# Altium PCB PCB3.PcbDoc (part 1 of 2) (continued)
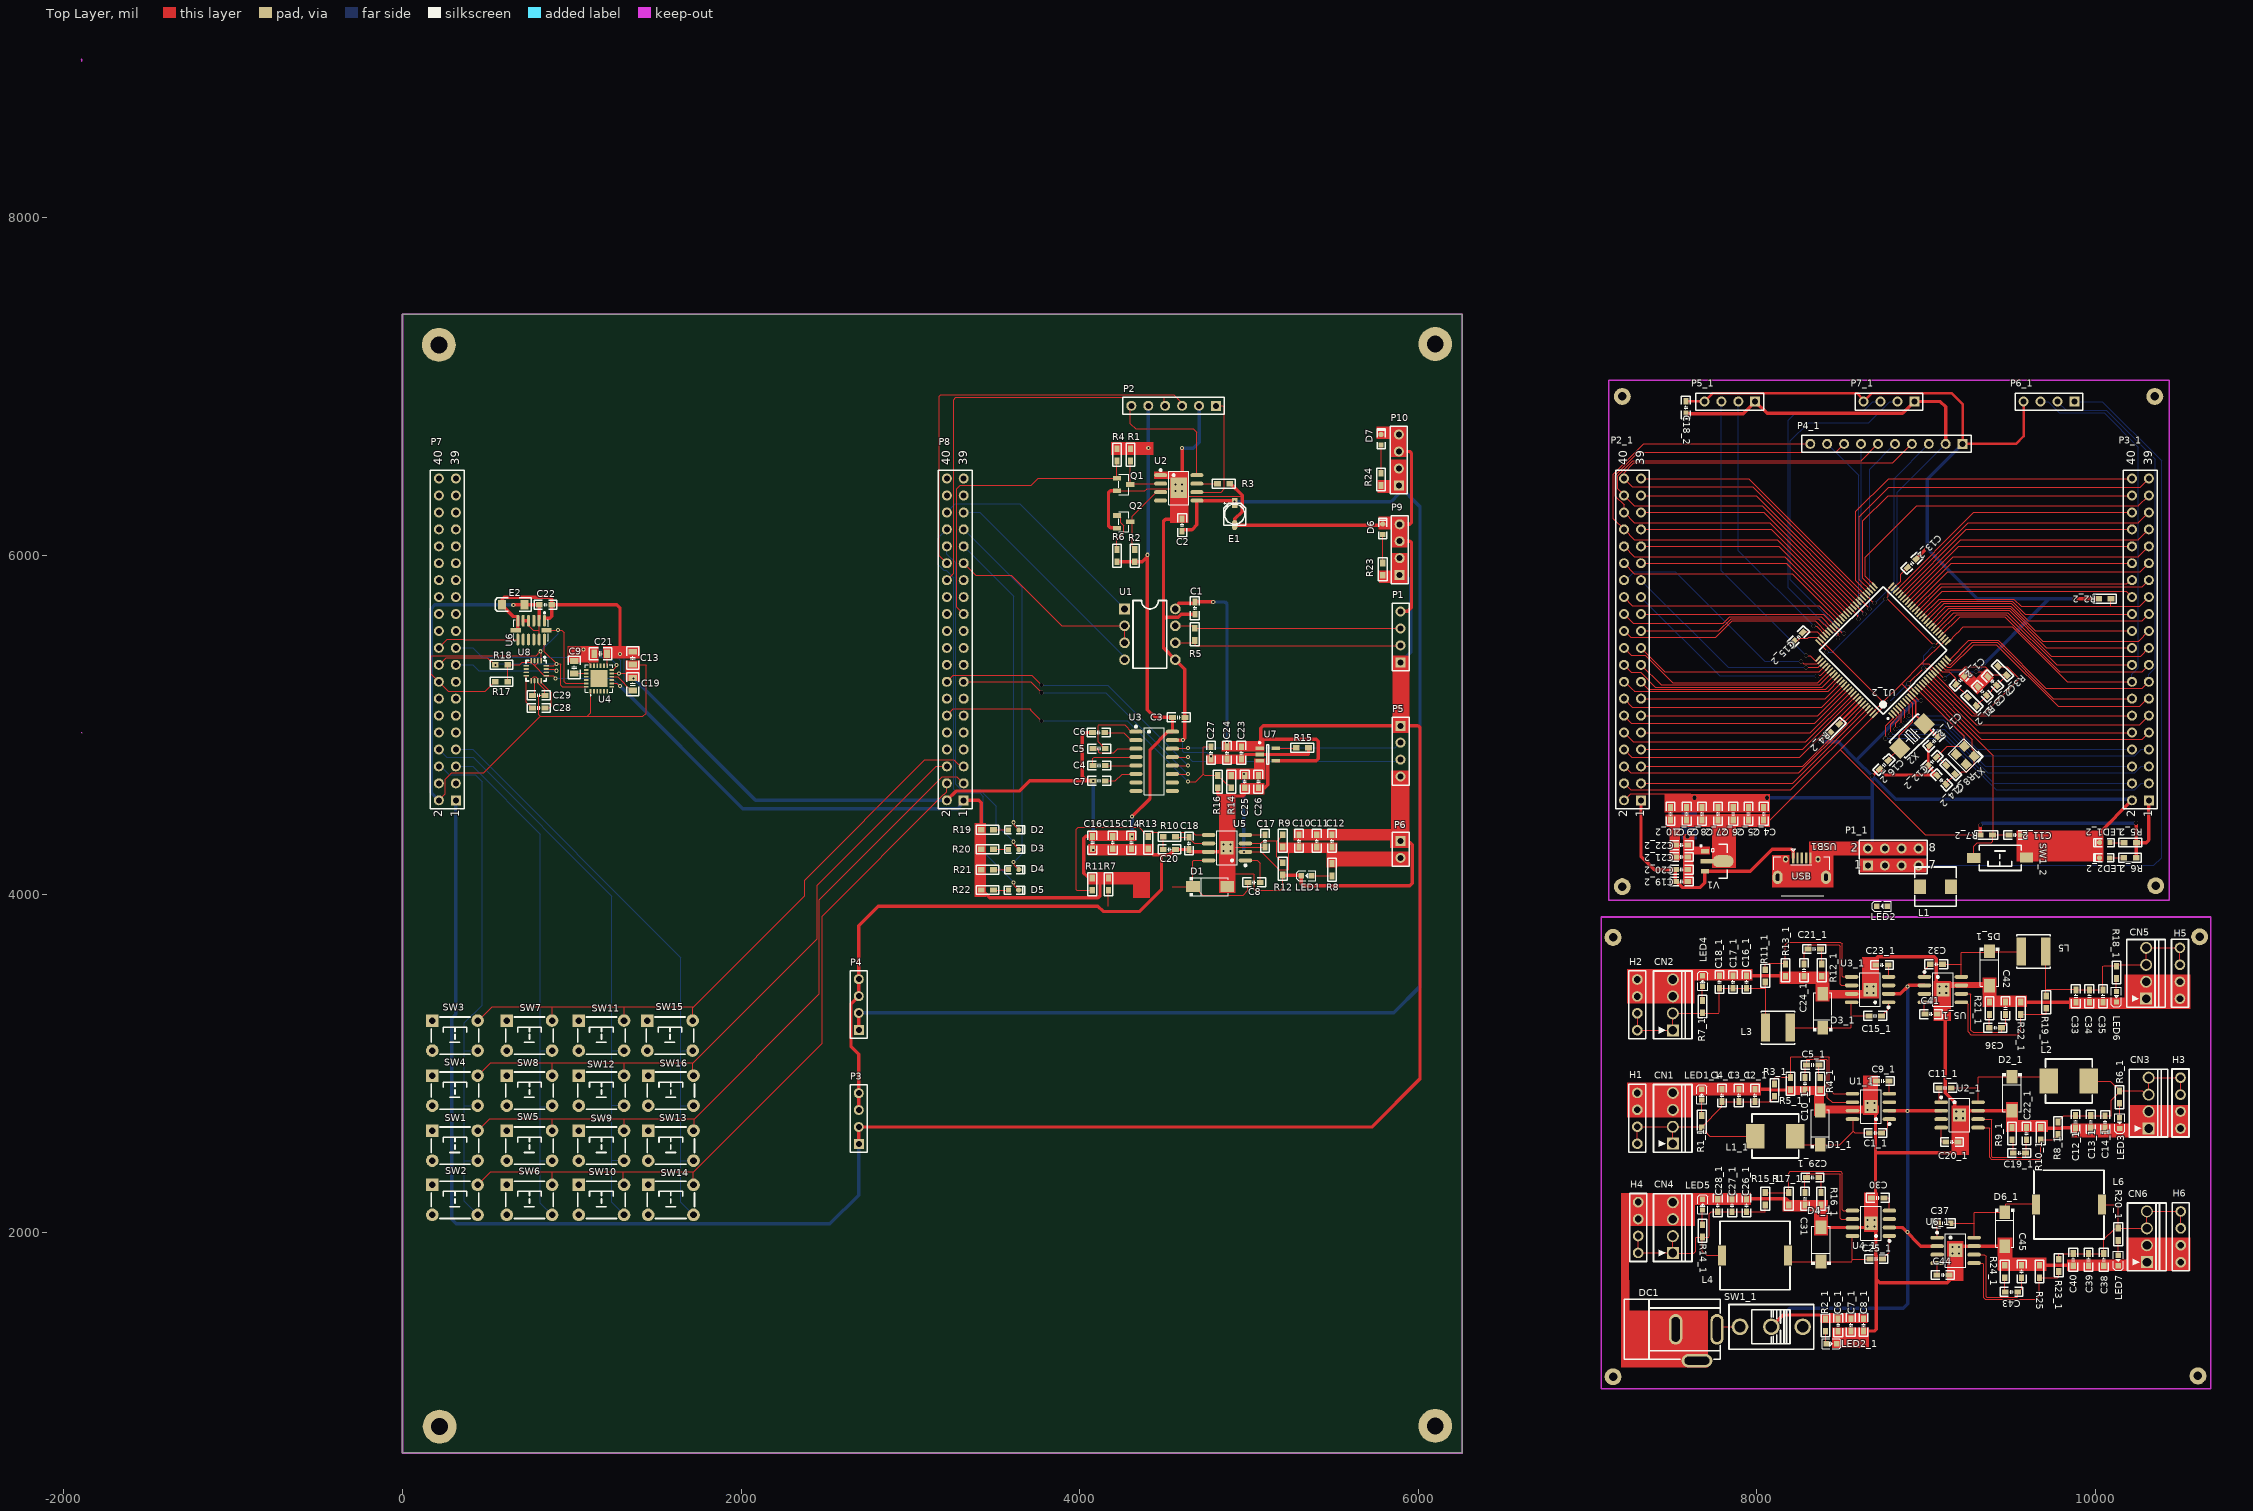
[diagram p0: Top Layer view]
## Components (designator, comment, footprint, x,y, rotation, side; value= is the part's Value field where it differs from the comment) (continued)
SW1_2 "3x6x5" "SW SMD-3*6*2.5" 9435,4215 r180 top (schematic designator SW1)
SW2 "6x6x5" "SW DIP-6*6*6" 310,2195 r0 top
SW3 "6x6x5" "SW DIP-6*6*6" 310,3165 r0 top
SW4 "6x6x5" "SW DIP-6*6*6" 310,2840 r0 top
SW5 "6x6x5" "SW DIP-6*6*6" 750,2515 r0 top
SW6 "6x6x5" "SW DIP-6*6*6" 750,2195 r0 top
SW7 "6x6x5" "SW DIP-6*6*6" 750,3165 r0 top
SW8 "6x6x5" "SW DIP-6*6*6" 750,2840 r0 top
SW9 "6x6x5" "SW DIP-6*6*6" 1175,2515 r0 top
SW10 "6x6x5" "SW DIP-6*6*6" 1175,2195 r0 top
SW11 "6x6x5" "SW DIP-6*6*6" 1175,3165 r0 top
SW12 "6x6x5" "SW DIP-6*6*6" 1175,2840 r0 top
SW13 "6x6x5" "SW DIP-6*6*6" 1585,2515 r0 top
SW14 "6x6x5" "SW DIP-6*6*6" 1585,2195 r0 top
SW15 "6x6x5" "SW DIP-6*6*6" 1580,3165 r0 top
SW16 "6x6x5" "SW DIP-6*6*6" 1585,2840 r0 top
U1 "MAX485EN" DIP-8_L10.0-W6.5-P2.54-LS7.6-BL 4415,5535 r270 top
U1_1 "TPS54531DDAR" SOIC-8_L5.0-W4.0-P1.27-LS6.0-BL-EP 8673.51,2746.5 r90 top (schematic designator U1)
U1_2 "STM32F407VET6" LQFP100_V 8745,5440 r135 top (schematic designator U1)
U2 "A4950ELJTR-T" SOIC-8_L4.9-W3.9-P1.27-LS6.0-BL-EP 4585,6400 r270 top
U2_1 "TPS54531DDAR" SOIC-8_L5.0-W4.0-P1.27-LS6.0-BL-EP 9196.89,2696.5 r270 top (schematic designator U2)
U3 "SP3232EEN-L" SOIC-16_L9.9-W3.9-P1.27-LS6.0-BL 4440,4785 r270 top
U3_1 "TPS54531DDAR" SOIC-8_L5.0-W4.0-P1.27-LS6.0-BL-EP 8668.51,3436.5 r90 top (schematic designator U3)
U4 "MPU-6050_C24112" QFN-24_L4.0-W4.0-P0.50-BL-EP2.6 1160,5275 r0 top
U4_1 "TPS54531DDAR" SOIC-8_L5.0-W4.0-P1.27-LS6.0-BL-EP 8673.51,2056.5 r90 top (schematic designator U4)
U5 "TPS54531DDAR" SOIC-8_L5.0-W4.0-P1.27-LS6.0-BL-EP 4870,4275 r90 top
U5_1 "TPS54531DDAR" SOIC-8_L5.0-W4.0-P1.27-LS6.0-BL-EP 9098.51,3436.5 r270 top (schematic designator U5)
U6 "ADXL345BCCZ-RL7" LGA-14_L5.0-W3.0-P0.80-BL 760,5560 r180 top
U6_1 "TPS54531DDAR" SOIC-8_L5.0-W4.0-P1.27-LS6.0-BL-EP 9173.51,1896.5 r270 top (schematic designator U6)
U7 "LTC4057ES5-4.2#TRM" LT-S5-5-TSOT-23_N 5110,4825 r0 top
U8 "QMC5883L-TR" SENSOR-SMD_QMC5883L-TR 790,5320 r270 top
USB1 "USB-5P" USB-MICRO_A 8265,4100 r0 top
V1 "AMS1117-3V3" SOT89_L 7703.89,4195 r270 top
X1 "8MHz" "OSC 3225-4P" 9230,4820 r135 top
X2 "32.768K" "OSC 6035-2P" 8915,4935 r225 top

## Footprints (in the part's own frame and the unit in brackets; to place one, negate y for a bottom-side part, rotate by r counter-clockwise, add the part's x,y. Pads: shape width x height; smd on the part's side, far side on the other; paste and mask are expansions set on the pad)
C0603_M [mil] "无极性贴片电容"
  rect 40x30 smd: 1(-36.5,0) 2(36.5,0)
  silkscreen extent -68,-26 68,26, body extent -31,-16 32,16, height 33
C0805_L [mil] "无极性贴片电容"
  rect 35x50 smd: 1(-37.4,0) 2(37.4,0)
  silkscreen extent -67,-36 67,36, body extent -39,-24 39,24, height 22
C_3216 [mm] "A型贴片钽电容 长3.2mm，宽1.6mm，厚1.6mm"
  rect 1.2x1.4 smd: 1(-1.7,0) 2(1.7,0)
  silkscreen extent -2.74,-1.02 2.67,1.02, body extent -1.6,-0.8 1.6,0.8, height 1.63
"CE A(3*5.4)" [mm] "贴片电解电容，直径3mm，高5.4mm"
  rect 1.5x0.8 smd: 1(1.651,0)
  oval 1.5x0.8 smd: 2(-1.65,0)
  silkscreen extent -1.65,-1.65 1.8,1.65, body extent -1.9,-1.65 1.9,1.65, height 5.45
CONN-TH_22272041 [mm]
  rect 1.8x1.8 hole 1.3: 1(3.81,0)
  round 1.8 hole 1.3: 2(1.27,0) 3(-1.27,0) 4(-3.81,0)
  silkscreen extent -5.08,-2.92 5.08,2.88
DC-IN-TH_DC005 [mm]
  oval 2x4.6 hole 1.2 slot 3.7 at 90 deg: 1(3.1,2.35) 2(-3.1,2.35)
  oval 4.6x2 hole 1.2 slot 3.7 at 0 deg: 3(0.1,-2.35)
  silkscreen extent -10.8,-2.15 3.6,6.85
DIP-8_L10.0-W6.5-P2.54-LS7.6-BL [mil]
  rect 63x63 hole 39.37: 1(-150,-150)
  round 63 hole 39.37: 2(-50,-150) 3(50,-150) 4(150,-150) 5(150,150) 6(50,150) 7(-50,150) 8(-150,150)
  silkscreen extent -200,-100 200,100
HDR1X2 [mm] "Connector; Header; 2 Position"
  rect 1.5x1.5 hole 0.9: 1(0,0)
  round 1.5 hole 0.9: 2(2.54,0)
  silkscreen extent -1.27,-1.27 3.81,1.27
HDR1X4 [mm] "Connector; Header; 4 Position"
  rect 1.5x1.5 hole 0.9: 1(0,0)
  round 1.5 hole 0.9: 2(2.54,0) 3(5.08,0) 4(7.62,0)
  silkscreen extent -1.27,-1.27 8.89,1.27
HDR1X6 [mm] "Connector; Header; 6 Position"
  rect 1.5x1.5 hole 0.9: 1(0,0)
  round 1.5 hole 0.9: 2(2.54,0) 3(5.08,0) 4(7.62,0) 5(10.16,0) 6(12.7,0)
  silkscreen extent -1.27,-1.27 13.97,1.27
HDR1X10 [mm] "Connector; Header; 10 Position"
  rect 1.5x1.5 hole 0.9: 1(0,0)
  round 1.5 hole 0.9: 2(2.54,0) 3(5.08,0) 4(7.62,0) 5(10.16,0) 6(12.7,0) 7(15.24,0) 8(17.78,0) 9(20.32,0) 10(22.86,0)
  silkscreen extent -1.27,-1.27 24.13,1.27
HDR2X4 [mm] "Connector; Header; 4x2 Position"
  rect 1.5x1.5 hole 0.9: 1(0,0)
  round 1.5 hole 0.9: 2(0,2.54) 3(2.54,0) 4(2.54,2.54) 5(5.08,0) 6(5.08,2.54) 7(7.62,0) 8(7.62,2.54)
  silkscreen extent -1.27,-1.27 8.89,3.81
HDR2X20 [mm] "Connector; Header; 20x2 Position"
  rect 1.5x1.5 hole 0.9: 1(0,0)
  round 1.5 hole 0.9: 2(0,2.54) 3(2.54,0) 4(2.54,2.54) 5(5.08,0) 6(5.08,2.54) 7(7.62,0) 8(7.62,2.54) 9(10.16,0) 10(10.16,2.54) 11(12.7,0) 12(12.7,2.54) 13(15.24,0) 14(15.24,2.54) 15(17.78,0) 16(17.78,2.54) 17(20.32,0) 18(20.32,2.54) 19(22.86,0) 20(22.86,2.54) 21(25.4,0) 22(25.4,2.54) 23(27.94,0) 24(27.94,2.54) 25(30.48,0) 26(30.48,2.54) 27(33.02,0) 28(33.02,2.54) 29(35.56,0) 30(35.56,2.54) 31(38.1,0) 32(38.1,2.54) 33(40.64,0) 34(40.64,2.54) 35(43.18,0) 36(43.18,2.54) 37(45.72,0) 38(45.72,2.54) 39(48.26,0) 40(48.26,2.54)
  silkscreen extent -1.27,-1.27 49.53,3.81
HDR-TH_4P-P2.54-V-F-R1-C4 [mm]
  round 1.6 hole 1.02: 1(-3.81,0) 2(-1.27,0) 3(1.27,0) 4(3.81,0)
  silkscreen extent -5.1,-1.27 5.1,1.27
IND-SMD_L5.0-W5.0_SWPA5040S [mm]
  rect 1.4x4.2 smd: 1(-1.85,0) 2(1.85,0)
  silkscreen extent -2.5,-2.5 2.5,2.5
IND-SMD_L6.2-W5.9 [mm]
  rect 1.8x2.2 smd: 1(-2.35,0) 2(2.35,0)
  silkscreen extent -3.1,-2.95 3.1,2.95
IND-SMD_L7.0-W6.6 [mm]
  rect 2.8x3.7 smd: 1(-3,0) 2(3,0)
  silkscreen extent -3.5,-3.3 3.5,3.3
IND-SMD_L10.5-W10.3 [mm]
  rect 1.2x3 smd: 1(-4.95,0) 2(4.95,0)
  silkscreen extent -5.25,-5.15 5.25,5.15
LED0603-RD [mm]
  rect 0.8x0.8 smd: 1(-0.799,-0.003) 2(0.799,0.004)
  silkscreen extent -1.49,-0.75 1.39,0.76
LED0603_R [mil] "红色0603LED"
  rect 30x30 smd: 1(-30.59,0)
  oct 30x30 smd: 2(30.59,0)
  silkscreen extent -54,-24 65,24, body extent -32,-16 31,16, height 24
LGA-14_L5.0-W3.0-P0.80-BL [mm]
  oval 0.448x1.769 smd: 1(-2,-1.409) 2(-1.2,-1.409) 3(-0.4,-1.409) 4(0.4,-1.409) 5(1.2,-1.409) 6(2,-1.409) 8(2,1.409) 9(1.2,1.409) 10(0.4,1.409) 11(-0.4,1.409) 12(-1.2,1.409) 13(-2,1.409)
  rect 1.545x0.7 smd: 7(2.298,0) 14(-2.298,0)
  silkscreen extent -2.58,-2.72 2.58,1.58
LQFP100_V [mm] "Thin QFP, 100-Leads, Body 14x14mm, Pitch 0.5mm, ST Recommended封装库来自淘宝 ID：黄晶宝石"
  rect 1.2x0.3 smd: 1(-7.75,6) 2(-7.75,5.5) 3(-7.75,5) 4(-7.75,4.5) 5(-7.75,4) 6(-7.75,3.5) 7(-7.75,3) 8(-7.75,2.5) 9(-7.75,2) 10(-7.75,1.5) 11(-7.75,1) 12(-7.75,0.5) 13(-7.75,0) 14(-7.75,-0.5) 15(-7.75,-1) 16(-7.75,-1.5) 17(-7.75,-2) 18(-7.75,-2.5) 19(-7.75,-3) 20(-7.75,-3.5) 21(-7.75,-4) 22(-7.75,-4.5) 23(-7.75,-5) 24(-7.75,-5.5) 25(-7.75,-6) 51(7.75,-6) 52(7.75,-5.5) 53(7.75,-5) 54(7.75,-4.5) 55(7.75,-4) 56(7.75,-3.5) 57(7.75,-3) 58(7.75,-2.5) 59(7.75,-2) 60(7.75,-1.5) 61(7.75,-1) 62(7.75,-0.5) 63(7.75,0) 64(7.75,0.5) 65(7.75,1) 66(7.75,1.5) 67(7.75,2) 68(7.75,2.5) 69(7.75,3) 70(7.75,3.5) 71(7.75,4) 72(7.75,4.5) 73(7.75,5) 74(7.75,5.5) 75(7.75,6)
  rect 0.3x1.2 smd: 26(-6,-7.75) 27(-5.5,-7.75) 28(-5,-7.75) 29(-4.5,-7.75) 30(-4,-7.75) 31(-3.5,-7.75) 32(-3,-7.75) 33(-2.5,-7.75) 34(-2,-7.75) 35(-1.5,-7.75) 36(-1,-7.75) 37(-0.5,-7.75) 38(0,-7.75) 39(0.5,-7.75) 40(1,-7.75) 41(1.5,-7.75) 42(2,-7.75) 43(2.5,-7.75) 44(3,-7.75) 45(3.5,-7.75) 46(4,-7.75) 47(4.5,-7.75) 48(5,-7.75) 49(5.5,-7.75) 50(6,-7.75) 76(6,7.75) 77(5.5,7.75) 78(5,7.75) 79(4.5,7.75) 80(4,7.75) 81(3.5,7.75) 82(3,7.75) 83(2.5,7.75) 84(2,7.75) 85(1.5,7.75) 86(1,7.75) 87(0.5,7.75) 88(0,7.75) 89(-0.5,7.75) 90(-1,7.75) 91(-1.5,7.75) 92(-2,7.75) 93(-2.5,7.75) 94(-3,7.75) 95(-3.5,7.75) 96(-4,7.75) 97(-4.5,7.75) 98(-5,7.75) 99(-5.5,7.75) 100(-6,7.75)
  silkscreen extent -7.87,-6.75 6.75,6.82, body extent -7,-7 7,7, height 1.6
LT-S5-5-TSOT-23_N [mm] "SOT23, 5-Leads, Body 2.90x1.63mm, Pitch 0.95mm, IPC Medium Density"
  rect 1.3x0.55 smd: 1(-1.2,0.95) 2(-1.2,0) 3(-1.2,-0.95) 4(1.2,-0.95) 5(1.2,0.95)
  silkscreen extent -1.32,-1.45 0.15,1.9, body extent -0.87,-1.45 0.87,1.45, height 1
"OSC 3225-4P" [mm] "3.2*2.5*0.7mm(长宽高)"
  rect 1.3x1.2 smd: 1(-1.05,-0.85) 2(1.05,-0.85) 3(1.05,0.85) 4(-1.05,0.85)
  silkscreen extent -2.03,-1.75 1.9,1.65, body extent -1.6,-1.25 1.6,1.25, height 0.7
"OSC 6035-2P" [mm] "6mm*3.5mm*1mm(长*宽*高)"
  rect 2.2x2.4 smd: 1(-2.6,0) 2(2.6,0)
  silkscreen extent -3,-1.75 3.02,1.75, body extent -3,-1.75 3,1.75, height 1.06
QFN-24_L4.0-W4.0-P0.50-BL-EP2.6 [mm]
  rect 0.28x0.665 smd: 1(-1.25,-1.907) 2(-0.75,-1.907) 3(-0.25,-1.907) 4(0.25,-1.907) 5(0.75,-1.907) 6(1.25,-1.907) 13(1.25,1.907) 14(0.75,1.907) 15(0.25,1.907) 16(-0.25,1.907) 17(-0.75,1.907) 18(-1.25,1.907)
  rect 0.665x0.28 smd: 7(1.907,-1.25) 8(1.907,-0.75) 9(1.907,-0.25) 10(1.907,0.25) 11(1.907,0.75) 12(1.907,1.25) 19(-1.907,1.25) 20(-1.907,0.75) 21(-1.907,0.25) 22(-1.907,-0.25) 23(-1.907,-0.75) 24(-1.907,-1.25)
  rect 2.55x2.55 smd: 25(0,0)
  silkscreen extent -2.08,-2.61 2.08,2.08
R0603_M [mil] "1/10W贴片电阻"
  rect 40x31.5 smd: 1(-36.5,0) 2(36.5,0)
  silkscreen extent -68,-26 68,26, body extent -31,-16 32,16, height 16
SENSOR-SMD_QMC5883L-TR [mm]
  oval 0.8x0.25 smd: 1(-1.5,0.75) 2(-1.5,0.25) 3(-1.5,-0.25) 4(-1.5,-0.75) 9(1.5,-0.75) 10(1.5,-0.25) 11(1.5,0.25) 12(1.5,0.75)
  oval 0.25x0.8 smd: 5(-0.75,-1.5) 6(-0.25,-1.5) 7(0.25,-1.5) 8(0.75,-1.5) 13(0.75,1.5) 14(0.25,1.5) 15(-0.25,1.5) 16(-0.75,1.5)
  silkscreen extent -2.16,-1.52 1.52,1.52
SMA_L4.4-W2.8-LS5.4-RD [mm]
  rect 2.046x1.62 smd: 1(-2.566,0) 2(2.565,0)
  silkscreen extent -3.08,-1.44 2.7,1.44
SOIC-8_L4.9-W3.9-P1.27-LS6.0-BL-EP [mm]
  oval 0.602x1.941 smd: 1(-1.905,-2.72) 2(-0.635,-2.72) 3(0.635,-2.72) 4(1.905,-2.72) 5(1.905,2.72) 6(0.635,2.72) 7(-0.635,2.72) 8(-1.905,2.72)
  rect 3.098x2.41 smd: 9(0,0)
  silkscreen extent -2.81,-2.87 2.53,1.52
SOIC-8_L5.0-W4.0-P1.27-LS6.0-BL-EP [mm]
  oval 0.574x2.038 smd: 1(-1.905,-2.769) 2(-0.635,-2.769) 3(0.635,-2.769) 4(1.905,-2.769) 5(1.905,2.769) 6(0.635,2.769) 7(-0.635,2.769) 8(-1.905,2.769)
  rect 2x2 smd: 9(0,0)
  silkscreen extent -2.79,-2.92 2.53,1.52
SOIC-16_L9.9-W3.9-P1.27-LS6.0-BL [mil]
  oval 23.7x77.6 smd: 1(-175,-107.7) 2(-125,-107.7) 3(-75,-107.7) 4(-25,-107.7) 5(25,-107.7) 6(75,-107.7) 7(125,-107.7) 8(175,-107.7) 9(175,107.7) 10(125,107.7) 11(75,107.7) 12(25,107.7) 13(-25,107.7) 14(-75,107.7) 15(-125,107.7) 16(-175,107.7)
  silkscreen extent -211,-114 198,60
SOT89_L [mm] "4.6x4.3x1.6mm(长宽高)"
  rect 0.66x1.2 smd: 1(-1.5,-0.303) 3(1.5,-0.303)
  oval 1.8x3.175 smd: 2(0,2.441)
  rect 0.66x2.1 smd: 2(0,0.127)
  silkscreen extent -2.54,-1 2.54,3.05, body extent -2.3,-0.83 2.3,3.48, height 1.6
SOT-23-3_L2.9-W1.3-P1.90-LS2.4-BR [mm]
  rect 1.25x0.7 smd: 1(1,-0.95) 2(1,0.95) 3(-1,0)
  silkscreen extent -0.73,-1.53 0.73,1.53
"SW DIP-6*6*6" [mm] "6*6*6mm"
  rect 1.9x1.9 hole 1: 1(-3.4,2.25)
  round 1.9 hole 1: 2(-3.4,-2.25) 3(3.4,-2.25) 4(3.4,2.25)
  silkscreen extent -3.56,-2.79 3.56,2.79, body extent -4.11,-3 4.11,3, height 6.03
"SW SMD-3*6*2.5" [mm] "3*6*2.5mm"
  rect 2x1.5 smd: 1(-3.996,-0.02) 2(3.937,0)
  silkscreen extent -3.21,-1.9 3.09,1.9, body extent -4,-1.75 4,1.75, height 2.59
SW-TH_SS-12D10L3 [mm]
  round 2.5 hole 1.7: 1(-4.7,0) 2(0,0) 3(4.7,0)
  silkscreen extent -6.35,-3.35 6.35,3.35
USB-MICRO_A [mm] "micro型USB ，5.7*7.8*2.5mm"
  rect 0.35x1.6 smd: 1(-1.3,2.9) 2(-0.65,2.9) 3(0,2.9) 4(0.65,2.9) 5(1.3,2.9)
  oval 1.5x2 hole 0.5 slot 1.1 at 90 deg: 5(-3.625,0) 5(3.625,0)
  oval 0.8x1 hole 0.5: 5(-2.425,2.71) 5(2.425,2.71)
  silkscreen extent -4.19,-2.79 4.19,4.3, body extent -4,-2.71 4,2.89, height 2.8

## Part data
C1 C1_1 C1_2 C2 C2_1 C2_2 C3 C3_1 C3_2 C4 C4_1 C4_2 C5 C5_1 C5_2 C6 C6_1 C6_2 C7 C7_1 C7_2 C8 C8_1 C8_2 C9 C9_1 C9_2 C10 C10_1 C10_2 C11 C11_1 C11_2 C12 C12_1 C12_2 C13 C13_1 C13_2 C14 C14_1 C14_2 C15 C15_1 C15_2 C16 C16_1 C16_2 C17 C17_1 C17_2 C18 C18_1 C18_2 C19 C19_1 C19_2 C20 C20_1 C20_2 C21 C21_1 C21_2 C22 C22_1 C22_2 C23 C23_1 C24 C24_1 C25 C25_1 C26 C26_1 C27 C27_1 C28 C28_1 C29 C29_1 C30 C31 C32 C33 C34 C35 C36 C37 C38 C39 C40 C41 C42 C43 C44 C45: library part C, "贴片电容", BOM名称=无极性贴片电容, 联系卖家，免费查找封装=唯一出售店铺网址https://shop463601444.taobao.com
CN1 CN2 CN3 CN4 CN5 CN6: BOM_JLCPCB Part Class="Extended Part", BOM_Manufacturer=MOLEX, BOM_Manufacturer Part=22272041, BOM_Supplier=LCSC, BOM_Supplier Part=C504991, Contributor=LCSC, JLCPCB Part Class="Extended Part", spicePre=C, spiceSymbolName=22272041
D1 D1_1 D2_1 D3_1 D4_1 D5_1 D6_1: BOM_JLCPCB Part Class="Extended Part", BOM_Manufacturer=Jingdao, BOM_Manufacturer Part=SS54, BOM_Supplier=LCSC, BOM_Supplier Part=C123946, Contributor=LCSC, JLCPCB Part Class="Extended Part", spicePre=D, spiceSymbolName=SS54_C123946
D2 D3 D4 D5 D6 D7 LED1_2 LED2_2: "发光二极管", 封装库来自淘宝卖家 ID：黄晶宝石=其他店铺购入均为假冒，请立即申请退款，本店奖励现金5~20元
DC1: BOM_Manufacturer="SHOU HAN", BOM_Manufacturer Part=DC005, JLCPCB Part Class="Extended Part", BOM_Supplier=LCSC, BOM_Supplier Part=C431533, Contributor=LCSC, spicePre=D, spiceSymbolName=DC005_C431533
E1: library part CE_SMD, "贴片电解电容", BOM名称=贴片电解电容, 封装库来自淘宝卖家ID：黄晶宝石=其他店铺购入均为盗版假冒封装库，请立即申请退款, 联系卖家，免费查找封装=唯一出售店铺网址https://shop463601444.taobao.com
E2: library part CT, "贴片钽电容", BOM名称=贴片钽电容, 封装库来自淘宝卖家ID：黄晶宝石=其他店铺购入均为盗版假冒封装库，请立即申请退款, 联系卖家，免费查找封装=唯一出售店铺网址https://shop463601444.taobao.com
H1 H2 H3 H4 H5 H6: BOM_Manufacturer=GEPU(歌普), JLCPCB Part Class="Extended Part", BOM_Manufacturer Part=GP26-2520WV-4P, BOM_Supplier=LCSC, BOM_Supplier Part=C2681739, Contributor=LCSC, spicePre=H, spiceSymbolName=GP26-2520WV-4P
L1: library part 3.3uH, BOM_Manufacturer=TDK, BOM_Manufacturer Part=CLF6045T-3R3N-D, BOM_Supplier=LCSC, BOM_Supplier Part=C432958, Contributor=LCSC, nameAlias=Inductance, spicePre=L, spiceSymbolName=CLF6045T-3R3N-D
L1_1 L2 L3 L4 L5 L6: library part L-AL, "色环电感", BOM名称=色环电感, 封装库来自淘宝卖家ID：黄晶宝石=其他店铺购入均为盗版假冒封装库，请立即申请退款, 联系卖家，免费查找封装=唯一出售店铺网址https://shop463601444.taobao.com
LED1 LED1_1 LED2 LED2_1 LED3 LED4 LED5 LED6 LED7: BOM_Manufacturer=NATIONSTAR, BOM_Manufacturer Part=FC-1608UGK-520D, BOM_Supplier=LCSC, BOM_Supplier Part=C87326, spicePre=L, spiceSymbolName=FC-1608UGK-520D
P1 P3 P4 P5 P9 P10: "Header, 4-Pin", LatestRevisionDate=17-Jul-2002, LatestRevisionNote="Re-released for DXP Platform.", Publisher="Altium Limited"
P1_1: library part "Header 4X2", "Header, 4-Pin, Dual row", LatestRevisionDate=17-Jul-2002, LatestRevisionNote="Re-released for DXP Platform.", Publisher="Altium Limited"
P2: "Header, 6-Pin", LatestRevisionDate=17-Jul-2002, LatestRevisionNote="Re-released for DXP Platform.", Publisher="Altium Limited"
P2_1 P3_1: library part "Header 20X2", "Header, 20-Pin, Dual row", LatestRevisionDate=17-Jul-2002, LatestRevisionNote="Re-released for DXP Platform.", Publisher="Altium Limited"
P4_1: library part "Header 10", "Header, 10-Pin", LatestRevisionDate=17-Jul-2002, LatestRevisionNote="Re-released for DXP Platform.", Publisher="Altium Limited"
P5_1 P6_1 P7_1: library part "Header 4", "Header, 4-Pin", LatestRevisionDate=17-Jul-2002, LatestRevisionNote="Re-released for DXP Platform.", Publisher="Altium Limited"
P6: "Header, 2-Pin", LatestRevisionDate=17-Jul-2002, LatestRevisionNote="Re-released for DXP Platform.", Publisher="Altium Limited"
P7 P8: "Header, 20-Pin, Dual row", LatestRevisionDate=17-Jul-2002, LatestRevisionNote="Re-released for DXP Platform.", Publisher="Altium Limited"
Q1 Q2: BOM_JLCPCB Part Class="Basic Part", BOM_Manufacturer=CJ, BOM_Manufacturer Part=2N7002, BOM_Supplier=LCSC, BOM_Supplier Part=C8545, spicePre=Q, spiceSymbolName=2N7002
R1 R1_1 R1_2 R2 R2_1 R2_2 R3 R3_1 R3_2 R4 R4_1 R4_2 R5 R5_1 R5_2 R6 R6_1 R6_2 R7 R7_1 R7_2 R8 R8_1 R8_2 R9 R9_1 R10 R10_1 R11 R11_1 R12 R12_1 R13 R13_1 R14 R14_1 R15 R15_1 R16 R16_1 R17 R17_1 R18 R18_1 R19 R19_1 R20 R20_1 R21 R21_1 R22 R22_1 R23 R23_1 R24 R24_1 R25: library part R, "贴片电阻", BOM名称=贴片电阻, 封装库来自淘宝卖家ID：黄晶宝石=其他店铺购入均为盗版假冒封装库，请立即申请退款, 联系卖家，免费查找封装=唯一出售店铺网址https://shop463601444.taobao.com
SW1 SW2 SW3 SW4 SW5 SW6 SW7 SW8 SW9 SW10 SW11 SW12 SW13 SW14 SW15 SW16: library part "TSW DIP-6x6", "直插6x6轻触开关", BOM名称=直插6x6轻触开关, 联系卖家，免费查找封装=唯一出售店铺网址https://shop463601444.taobao.com
SW1_1: BOM_Manufacturer="XKB Connectivity", JLCPCB Part Class="Extended Part", BOM_Manufacturer Part=SS-12D10L4, BOM_Supplier=LCSC, BOM_Supplier Part=C843364, Contributor=LCSC, spicePre=S, spiceSymbolName=SS-12D10L4
SW1_2: library part SW-PB, "微动开关", BOM名称=3x6轻触开关, 联系卖家，免费查找封装=唯一出售店铺网址https://shop463601444.taobao.com
U1: BOM_Manufacturer="HTC Korea TAEJIN Tech", BOM_Manufacturer Part=MAX485EN, BOM_Supplier=LCSC, BOM_Supplier Part=C481665, Contributor=LCSC, spicePre=U, spiceSymbolName=MAX485EN
U1_1 U2_1 U3_1 U4_1 U5 U5_1 U6_1: BOM_JLCPCB Part Class="Extended Part", BOM_Manufacturer=TI, BOM_Manufacturer Part=TPS54531DDAR, BOM_Supplier=LCSC, BOM_Supplier Part=C50605, JLCPCB Part Class="Extended Part", spicePre=U, spiceSymbolName=TPS54531DDAR
U1_2: "ARM Cortex-M4 32b MCU+FPU, 210DMIP, 512 kB Flash, 192+4 kB RAM, Camera, 82 I/Os, 100-pin LQFP, -40 to +85癈, Tray", Operating Frequency (Processor Speed)=168MHz, 16-bit Timers (IC/OC/PWM)=12x16-bit(24/24/30), 32-bit Timer (IC/OC/PWM)="2x32-bit (8/8/8)", A/D Converter=16x12-bit, ComponentLink1Description="Manufacturer URL", ComponentLink1URL=http://www.st.com/, ComponentLink2Description="STM32F405/7 Datasheet", ComponentLink2URL=http://www.st.com/internet/com/TECHNICAL_RESOURCES/TECHNICAL_LITERATURE/DATASHEET/DM00037051.pdf, ComponentLink3Description="STM32F4 Web Page", ComponentLink3URL=http://www.st.com/internet/mcu/subclass/1521.jsp, D/A Converter=2x12-bit, DatasheetVersion="rev2, Jan-2012", Internal RAM=192kB, Other Timer Functions="2xWDG, RTC, 24-bit down counter", PackageDescription="100-Pin Low Profile Quad Flat Package, 14x14 mm Body, 0.5 mm Pitch", PackageReference=LQFP100, PackageVersion=2012, Serial Interface="3xSPI/2xI2S/2xI2C/3xUSART(IrDa, ISO7816)/3xUART/2xUSB OTG FS/HS, 2xCAN/Ethernet MAC10/100, SDIO", 联系卖家，免费查找封装=唯一出售店铺网址https://shop463601444.taobao.com
U2: BOM_JLCPCB Part Class="Extended Part", BOM_Manufacturer=ALLEGRO, BOM_Manufacturer Part=A4950ELJTR-T, BOM_Supplier=LCSC, BOM_Supplier Part=C82404, spicePre=U, spiceSymbolName=A4950ELJTR-T
U3: BOM_Manufacturer=MaxLinear, BOM_Manufacturer Part=SP3232EEN-L, BOM_Supplier=LCSC, BOM_Supplier Part=C442458, Contributor=LCSC, spicePre=U, spiceSymbolName=SP3232EEN-L
U4: BOM_JLCPCB Part Class="Basic Part", BOM_Manufacturer=InvenSense, BOM_Manufacturer Part=MPU-6050, BOM_Supplier=LCSC, BOM_Supplier Part=C24112, sourceId=1T5FDZYC8, spicePre=U, spiceSymbolName=MPU-6050_C24112, timeStamp=1462265206
U6: BOM_JLCPCB Part Class="Extended Part", BOM_Manufacturer=ADI, BOM_Manufacturer Part=ADXL345BCCZ-RL7, BOM_Supplier=LCSC, BOM_Supplier Part=C9667, spicePre=U, spiceSymbolName=ADXL345BCCZ-RL7
U7: "Linear Li-Ion Battery Charger with Thermal Regulation, 4.25 to 6.5 V Vin, 5-pin SOT23 (S5-5), -40 to 85 degC, Mini Tape and Reel", Float Voltage="4.2 V", Manufacturer="Linear Technology", Max Charge Current(A)=0.8, Supplier Part Number 1=LTC4057ES5-4.2#TRM-ND, Battery Chemistry="Li-Ion, Li-Polymer", Charge Termination=Microcontroller, Code_JEDEC=MO-193, ComponentLink1Description="Manufacturer URL", ComponentLink1URL=http://www.linear.com/, ComponentLink2Description=Datasheet, ComponentLink2URL=http://cds.linear.com/docs/en/datasheet/4057f.pdf, ComponentLink3Description="Package Specification", ComponentLink3URL=http://cds.linear.com/docs/en/packaging/SOT_5_05-08-1635.pdf, Mounting Technology="Surface Mount", Number of Cells=1, PackageDescription="5-Pin Plastic TSOT-23, Body 1.63 x 2.90 mm, Pitch 0.95 mm", PackageReference=S5-5, PackageVersion=Jun-10, Packing="Mini Tape and Reel", PartNumber=LTC4057ES5-4.2#TRM, RoHS=FALSE, Supplier 1=Digi-Key, Type of Charger=Linear, Vin Max(V)=6.5, Vin Min(V)=4.25
U8: BOM_JLCPCB Part Class="Extended Part", BOM_Manufacturer=QST, BOM_Manufacturer Part=QMC5883L-TR, BOM_Supplier=LCSC, BOM_Supplier Part=C192585, Contributor=LCSC, spicePre=U, spiceSymbolName=QMC5883L-TR
USB1: "微型USB母座", BOM名称=微型USB母座, 联系卖家，免费技术支持=唯一出售店铺网址https://shop463601444.taobao.com
V1: library part AMS1117_SOT89, "三端稳压芯片", BOM名称=稳压芯片, 封装库来自淘宝卖家 ID：黄晶宝石=其他店铺购入均为盗版，请立即申请退款，本店现金奖励5~20元, 联系卖家 免费查找封装=唯一出售店铺网址https://shop463601444.taobao.com
X1 X2: library part XTAL-2P, "2脚无源脚晶振", BOM名称=2脚无源脚晶振, 学习资源=www.ooocke.com, 版权归属=源创客

## Free pads (board coordinates)
  round 200 hole 100: 2(6100,7250) 4(215,7245) 6(6100,860) 7(219.72,855.52)
  round 100 hole 50: 8(7150,1150) 9(7150,3745) 10(10614.64,3748.27) 11(10605,1155) 12(7205,6940) 13(7205,4045) 14(10350,6940) 15(10355,4050)

## Via types
v1: diameter 24, hole 12, Top Layer to Bottom Layer, 71 vias
v2: diameter 24, hole 24, Top Layer to Bottom Layer, 38 vias

## Nets (pads, with @x,y where several pads share a name; then routed paths per layer and width w, separated by ;. In a path a pad name is that pad's centre, name@x,y a point inside that pad or via, vN(x,y) a via of type N, cw(c..) or ccw(c..) an arc to the next point about the centre after c; other vN are vias at no path point)
3V3: C3.1 C13.2 C14.2 C15.2 C16.2 C21.2 C22.1 E2.1 L1.2 P2.5 P8.1 R1.2 R2.2 R4.2 R6.2 R7.2 R11.2 R17.2 R18.2 R19.2 R20.2 R21.2 R22.2 U3.16 U4.8 U4.13 U6.1 U6.6 U6.7 U8.2 U8.4 U8.13 | length 9385.7
  Top Layer w6: R17.2@621.5,5255 R18.2@621.5,5355 692.35,5355 708.58,5371.23 758.7,5371.23 U8.4@760.47,5373 ; U8.4@760.47,5379.06 U8.4@760.47,5373 ; U8.2@799.84,5379.06 799.84,5367.67 786.49,5354.31 780.44,5354.31 ; v1(905,5275) 889.53,5290.48 U8.13@849.05,5290.48 838.23,5290.48 780.44,5348.26 780.44,5354.31 ; C21.2@1207.4,5420 1209.21,5418.18 U4.13@1209.21,5350.1 ; U4.8@1235.1,5245.47 1264.66,5245.47 1280.13,5230 v1(1285,5230) ; U8.4@760.47,5373 760.47,5368.23 774.4,5354.31 780.44,5354.31
  Top Layer w20: U6.7@669.55,5560 677.48,5560 681.26,5563.78 U6.6@681.26,5615.49 681.26,5639.13 680.08,5640.32 653.82,5640.32 588.07,5706.06 E2.1@588.07,5710 590,5711.93 590,5743.28 601.72,5755 869.78,5755 881.5,5743.28 C22.1@881.5,5710 ; U6.1@838.74,5615.49 838.74,5628.6 839.92,5629.78 869.78,5629.78 881.5,5641.5 C22.1@881.5,5710 ; v1(1285,5420) 1285,5690 1265,5710 C22.1@881.5,5710 ; P8.1@3315,4555 3405,4555 3418.5,4541.5 R19.2@3418.5,4380 ; R22.2@3418.5,4025 3422.75,4025 3467.75,3980 4108.28,3980 4120,3991.72 4120,4090 4125,4095 ; R11.2@4075,4096.5 4075,4100.75 4069.25,4106.5 4043.5,4106.5 4025,4125 4025,4329.78 4036.72,4341.5 C16.2@4075,4341.5 ; R6.2@4220,5963.5 4368.5,5963.5 4399.23,5994.23 4399.23,6004.23 v1(4400,6005) 4400,5090 4445,5045 4547.7,5045 4548.1,5044.6 4548.1,4960.4 U3.16@4547.7,4960 4520.75,4960 4415.4,4854.65 4415.4,4565.4 v1(4310,4460) ; C14.2@4305,4341.5 4308.5,4341.5 v1(4310,4340)
  Bottom Layer w6: v1(905,5275) 1240,5275 v1(1285,5230) 1310,5255 1310,5395 v1(1285,5420)
  Bottom Layer w20: v1(1285,5230) 2010,4505 3278.76,4505 3295.47,4521.72 3295.47,4535.47 P8.1@3315,4555 ; v1(4310,4340) v1(4310,4460) ; v1(4400,6005) 4400,6006.08 4405,6011.08 v1(4405,6635) P2.5@4405,6885
4V2: C10.2 C11.2 C12.2 C25.2 C26.2 P6.2 R8.2 R9.2 R14.2 U5.2 U7.3 | length 925.9
  Top Layer w6: v1(4970,4250) 5072.75,4250 5177.75,4145 5231.49,4145 5235,4148.51 5235,4239.25 5200,4274.25 R9.2@5200,4278.5
  Top Layer w20: v1(4970,4710) 4970,4705 4971.5,4705 C25.2@4975,4701.5
  Bottom Layer w20: v1(4970,4250) v1(4970,4710)
5V: C1.1 C23.2 C24.2 P1.1 P3.1 P3.2 P5.1 P7.1 P9.1 P9.2 R23.2 U1.8 U7.1 U7.4 | length 14397.3
  Top Layer w20: P3.1@2695,2525 P3.2@2695,2625 5725.09,2625 6010,2909.91 6010,4983.28 5998.28,4995 P5.1@5895,4995 5085,4995 5070,4980 5070,4919.47 5074.47,4915 ; U1.8@4565,5685 4565,5696.64 4585,5716.64 4585,5718.28 4675,5718.28 4680,5723.28 C1.1@4680,5726.5 4788.5,5726.5 v1(4788.87,5726.13) ; U7.1@5062.76,4862.4 5062.76,4903.28 5074.47,4915 ; U7.4@5157.24,4787.6 5398.28,4787.6 5410,4799.31 5410,4903.28 5398.28,4915 5074.47,4915
  Bottom Layer w20: P7.1@315,4555 315,3290 290,3265 290,2081.72 318.7,2053.02 2525,2053.02 2695,2223.02 P3.1@2695,2525 ; v1(4788.87,5726.13) 4858.28,5726.13 4870,5714.42 v1(4870,4895) ; P9.1@5890,5885 5909.53,5865.47 5939.53,5865.47 5955,5850 5955,5430 P1.1@5895,5370
12V: C2.2 E1.1 P4.1 P4.2 P10.1 P10.2 R24.2 U2.5 | length 8013.4
  Top Layer w20: P4.1@2695,3198 P4.2@2695,3298 ; C2.2@4605,6143.5 4605,6148.5 4610,6153.5 4663.5,6153.5 4692.11,6182.11 U2.5@4692.11,6325 4909.25,6325 v1(4915,6319.25) E1.1@4915,6310
  Bottom Layer w20: P4.2@2695,3300 5855,3300 6010,3455 6010,6290 P10.1@5885,6415 5885,6365 5839.25,6319.25 v1(4915,6319.25)
A: P1.2 R5.1 U1.6 | length 1360
  Top Layer w6: U1.6@4565,5485 4667.25,5485 R5.1@4678.25,5496 ; R5.1@4680,5497.75 R5.1@4680,5498.5 4681.99,5496.51 4681.99,5473.01 4686.11,5468.9 5893.9,5468.9 P1.2@5895,5470
B: P1.3 R5.2 U1.7 | length 1336.7
  Top Layer w6: U1.7@4565,5585 4667.25,5585 4680,5572.25 R5.2@4680,5571.5 4681.5,5570 P1.3@5895,5570
GND: C1.2 C2.1 C3.2 C6.2 C7.1 C9.2 C10.1 C11.1 C12.1 C13.1 C14.1 C15.1 C16.1 C17.1 C18.2 C19.1 C20.1 C21.1 C22.2 C23.1 C24.1 C25.1 C26.1 C27.1 C29.1 D1.2 D6.2 D7.2 E1.2 E2.2 LED1.1 LED2.1 P1.4 P2.2 P3.3 P3.4 P4.3 P4.4 P5.4 P6.1 P7.2 P8.2 P9.3 P9.4 P10.3 P10.4 Q1.2 Q2.2 R3.2 R12.1 R13.1 R15.1 R16.1 U1.5 U2.1 U2.9 U3.15 U4.1 U4.11 U4.18 U5.7 U5.9 U6.2 U6.4 U6.5 U6.12 U7.2 U8.9 U8.11 | length 21172.7
  Top Layer w6: P7.2@215,4555 253.53,4593.53 253.53,4678.53 291.47,4716.47 481.47,4716.47 815,5050 ; U6.4@744.25,5615.49 744.25,5589.49 773.74,5560 807.24,5560 ; U8.9@760.47,5260.94 760.47,5271.77 774.4,5285.69 785.93,5285.69 799.84,5271.78 U8.11@799.84,5260.94 799.84,5250.12 841.5,5208.46 C29.1@841.5,5175 808.51,5175 805,5171.49 805,5060 815,5050 ; U6.12@807.24,5504.51 807.24,5560 ; U6.2@807.24,5627.31 U6.2@807.24,5615.49 807.24,5560 ; C9.2@1015,5377.4 1091.07,5377.4 1110.79,5357.68 U4.18@1110.79,5350.1 ; U4.1@1110.79,5199.9 1110.79,5070.79 1090,5050 ; U4.11@1235.1,5304.53 1325.37,5304.53 C19.1@1352.5,5277.4 ; C13.1@1360,5355 1435.8,5355 1439.31,5351.49 1439.31,5069.31 1420,5050 1090,5050 ; Q1.2@4220.63,6382.6 4384.77,6382.6 4398.02,6395.85 4549.77,6395.85 v1(4565.31,6380.31) ; U2.9@4585,6400 4585,6398.59 4603.98,6379.61 4603.98,6375.46 4629.44,6350 4954.25,6350 4960,6355.75 ; 4870,4120 5026.49,4120 5030,4116.49 5030,4030 5035,4025 5185,4025 5200,4040 R12.1@5200,4113.5 ; v1(4889.69,4294.69) 4905.88,4278.5 C17.1@5095,4278.5 ; 815,5050 1090,5050
  Top Layer w20: v1@655,5710 E2.2@721.93,5710 C22.2@808.5,5710 808.5,5640.39 807.24,5639.13 U6.2@807.24,5627.31 ; U6.5@712.76,5615.49 U6.4@744.25,5615.49 ; C19.1@1352.5,5277.4 C19.1@1360,5277.4 ; P3.3@2695,2725 P3.4@2695,2825 2695,3054.45 2649.47,3099.98 2649.47,3354.47 2695,3400 2695,3815 2809.72,3929.72 4107.05,3929.72 4138.52,3898.25 4355.88,3898.25 4482.87,4025.25 4482.87,4234 ; P8.2@3215,4555 3269.47,4609.47 3644.01,4609.47 3704.53,4670 4040.86,4670 ; C16.1@4075,4268.5 4080,4263.5 v1(4080,4260) ; C6.2@4075,4955 4035,4955 4015,4935 4015,4695.86 4040.86,4670 ; C7.1@4078.5,4670 4040.86,4670 ; Q2.2@4220.63,6162.6 4218.74,6164.49 4181.72,6164.49 4170,6176.21 4170,6370.88 4181.72,6382.6 Q1.2@4220.63,6382.6 ; R13.1@4405,4268.5 4405,4264.25 4435.25,4234 4482.87,4234 ; 4545,6215 4506.72,6215 4495,6203.28 4495,5623.28 ; U3.15@4547.7,4910 v1(4609.78,4910) 4621.5,4921.72 C3.2@4621.5,5045 4621.5,5328.5 U1.5@4565,5385 4495,5455 4495,5623.28 ; v1(4604.68,6419.68) 4605,6420 v1(4605,6635) ; C1.2@4680,5653.5 4600.68,5653.5 4582.18,5635 4506.72,5635 4495,5623.28 ; R16.1@4815,4628.5 4815,4591.72 4826.72,4580 4963.28,4580 4975,4591.72 C25.1@4975,4628.5 ; v1(4850.32,4255.32) 4845,4250 U5.7@4760.98,4250 4650,4250 4650,4258.5 C18.2@4645,4263.5 4644.25,4264.25 4567.25,4264.25 C20.1@4566.5,4265 4561.5,4265 4530.5,4234 4482.87,4234 ; R3.2@4886.5,6425 4890.75,6425 4960,6355.75 4960,6260 4916.76,6216.76 4916.76,6181.8 E1.2@4915,6180.04 5782.81,6180.04 5788.36,6185.59 D6.2@5790,6185.59 ; C23.1@4955,4798.5 4955,4803.5 4976.5,4825 U7.2@5062.76,4825 5110,4825 ; C26.1@5055,4628.5 5093.28,4628.5 5111,4646.22 5111,4824 5110,4825 ; R12.1@5200,4113.5 5201.82,4111.68 5306.71,4111.68 LED1.1@5308.52,4109.86 5308.52,4061.72 5320.24,4050 5950,4050 5965,4065 5965,4293.28 5953.28,4305 5905,4305 P6.1@5895,4315 ; R15.1@5351.5,4865 5351.5,4825 5110,4825 ; P10.3@5885,6615 5948.28,6615 5960,6603.28 5960,6196.72 5948.28,6185 P9.4@5890,6185 ; P9.3@5890,6085 5951,6085 5960,6076 5960,5695 5937.09,5672.09 5897.09,5672.09 P1.4@5895,5670
  Bottom Layer w6: v1(1070,5445) 1225,5445 1290,5380 1290,5319.87 1280,5309.87 v1(1280,5305) ; v1(4609.78,4910) 4609.78,4845.22 4615,4840 4750,4840 v1(4775,4815)
  Bottom Layer w20: P7.2@215,4555 169.47,4600.53 169.47,5687.23 191.72,5709.47 v1(654.47,5709.47) v1@655,5710 ; v1(1365,5275) 2085,4555 P8.2@3215,4555 ; v1(4080,4260) v1(4080,4670) ; v1(4605,6635) 4670,6635 4705,6670 P2.2@4705,6885
  other v1: 4889.69,4255.32 4850.32,4294.69 4604.68,6380.31 4565.31,6419.68
NetC4_1: C4.1 U3.5 | length 180.8
  Top Layer w6: C4.1@4151.5,4760 U3.5@4332.3,4760
NetC4_2: C4.2 U3.4 | length 305
  Top Layer w6: C4.2@4083.5,4760 C4.2@4078.5,4760 4078.5,4803.5 4085,4810 U3.4@4332.3,4810
NetC5_1: C5.1 U3.3 | length 282.6
  Top Layer w6: C5.1@4078.5,4860 4107.5,4860 4112.84,4854.66 4112.84,4839.51 4116.35,4836 4200.48,4836 4224.48,4860 U3.3@4332.3,4860
NetC5_2: C5.2 U3.1 | length 413.9
  Top Layer w6: C5.2@4163.5,4872 C5.2@4151.5,4860 4146.5,4860 4134.5,4872 4134.5,4877 4110,4901.5 4110,4996.49 4113.51,5000 4265.35,5000 4305.35,4960 U3.1@4332.3,4960
NetC6_1: C6.1 U3.2 | length 202.9
  Top Layer w6: C6.1@4148,4955 4260.35,4955 4305.35,4910 U3.2@4332.3,4910
NetC7_2: C7.2 U3.6 | length 197.4
  Top Layer w6: C7.2@4151.5,4670 4210,4670 4250,4710 U3.6@4332.3,4710
NetC8_1: C8.1 U5.1 | length 208.7
  Top Layer w6: U5.1@4979.02,4200 5050.03,4200 5067.51,4182.51 5066.5,4181.5 C8.1@5066.5,4070
NetC8_2: C8.2 D1.1 L1.1 U5.8 | length 768.5
  Top Layer w6: 4547.52,4045 D1.1@4668.99,4045 ; U5.8@4760.98,4200 4675,4200 4668.99,4193.99 D1.1@4668.99,4045 ; C8.2@4993.5,4070 4993.5,4023.5 4965,3995 4727.39,3995 4677.39,4045 D1.1@4668.99,4045
NetC9_1: C9.1 U4.20 | length 70.7
  Top Layer w6: C9.1@1015,5302.6 1016.94,5304.53 U4.20@1084.9,5304.53
NetC17_2: C17.2 U5.4 | length 116.6
  Top Layer w6: U5.4@4979.02,4350 5093.5,4350 C17.2@5095,4351.5
NetC18_1: C18.1 R10.2 U5.6 | length 214
  Top Layer w6: R10.2@4566.5,4340 4570,4336.5 C18.1@4645,4336.5 4645,4331.5 4676.5,4300 U5.6@4760.98,4300
NetC19_2: C19.2 U4.10 | length 159
  Top Layer w6: U4.10@1235.1,5284.84 1270.26,5284.84 1352.5,5202.6 C19.2@1360,5202.6
NetC20_2: C20.2 R10.1 | length 75
  Top Layer w6: C20.2@4493.5,4265 R10.1@4493.5,4340
NetC28_1: C28.1 U8.12 | length 218.6
  Top Layer w6: U8.12@819.53,5260.94 819.53,5250.12 880,5189.65 880,5110 870,5100 C28.1@841.5,5100
NetC29_2: C29.2 U8.10 | length 90.8
  Top Layer w6: C29.2@768.5,5175 780.16,5186.66 U8.10@780.16,5260.94
NetD2_1: D2.1 R19.1 | length 87.9
  Top Layer w6: R19.1@3491.5,4380 D2.1@3579.41,4380
NetD3_1: D3.1 R20.1 | length 87.9
  Top Layer w6: R20.1@3491.5,4265 D3.1@3579.41,4265
NetD4_1: D4.1 R21.1 | length 87.9
  Top Layer w6: R21.1@3491.5,4145 D4.1@3579.41,4145
NetD5_1: D5.1 R22.1 | length 87.3
  Top Layer w6: R22.1@3491.5,4025 D5.1@3578.82,4025
NetD6_1: D6.1 R23.1 | length 167.9
  Top Layer w6: R23.1@5790,5956.5 D6.1@5790,6124.41
NetD7_1: D7.1 R24.1 | length 167.9
  Top Layer w6: R24.1@5780,6486.5 D7.1@5780,6654.41
NetLED1_2: LED1.2 R8.1 | length 119.2
  Top Layer w6: LED1.2@5371.48,4110.14 5373.11,4108.5 R8.1@5490,4108.5
NetLED2_2: LED2.2 R7.1 | length 93.5
  Top Layer w6: 4170,3930 R7.1@4170,4023.5
NetQ1_3: Q1.3 R1.1 U2.2 | length 318.5
  Top Layer w6: Q1.3@4299.37,6420 Q1.3@4300,6420.63 ; R1.1@4300,6558.5 Q1.3@4300,6420.63 ; U2.2@4477.89,6425 4304.37,6425 Q1.3@4300,6420.63
NetQ2_3: Q2.3 R2.1 U2.3 | length 440.4
  Top Layer w6: Q2.3@4299.37,6200 Q2.3@4310.19,6200 ; R2.1@4325,6036.5 4325,6040.75 4310.19,6055.56 Q2.3@4310.19,6200 ; U2.3@4477.89,6375 4451.54,6375 4310.19,6233.66 Q2.3@4310.19,6200
NetR3_1: R3.1 U2.7 | length 121.4
  Top Layer w6: U2.7@4692.11,6425 R3.1@4813.5,6425
NetR9_1: R9.1 R12.2 U5.3 | length 394.6
  Top Layer w6: U5.3@4979.02,4300 5068.77,4300 5086.02,4317.25 5170,4317.25 ; R12.2@5200,4186.5 5200,4190.75 5187.25,4203.5 5183,4203.5 5165,4221.5 5165,4312.25 5170,4317.25 ; R9.1@5200,4351.5 5200,4347.25 5170,4317.25
NetR11_1: R11.1 R13.2 U5.5 | length 1278.8
  Top Layer w6: R11.1@4075,4023.5 3983.51,4023.5 3980,4027.01 3980,4385 3990,4395 4351.5,4395 4388,4358.5 4392.25,4358.5 R13.2@4405,4345.75 ; R13.2@4405,4341.5 R13.2@4405,4345.75 ; U5.5@4760.98,4350 4683.13,4350 4667.63,4365.5 4424.75,4365.5 R13.2@4405,4345.75
NetR15_2: R15.2 U7.5 | length 122.3
  Top Layer w6: U7.5@5157.24,4862.4 5275.9,4862.4 R15.2@5278.5,4865
OUT1: P2.1 U2.6 | length 705.3
  Top Layer w6: U2.6@4692.11,6375 4835,6375 4855,6395 4855,6875 4845,6885 P2.1@4805,6885
OUT2: P2.6 U2.8 | length 802.3
  Top Layer w6: P2.6@4305,6885 4300,6880 4300,6780 4330,6750 4670,6750 4692.11,6727.89 U2.8@4692.11,6475 4675.05,6475 U2.8@4666.87,6483.18
PA0: P8.13
PA1: P8.14
PA2/USART2_TX: P8.15 U3.11 | length 1643
  Top Layer w6: P8.15@3315,5255 3710,5255 v2(3775,5190) ; U3.11@4547.7,4710 v1(4640,4710)
  Bottom Layer w6: v2(3775,5190) 4155,5190 4628.65,4716.35 4628.78,4716.35 4635.13,4710 v1(4640,4710)
PA3/USART2_RX: P8.16 U3.12 | length 1755.1
  Top Layer w6: P8.16@3215,5255 3253.53,5293.53 3716.47,5293.53 v2(3775,5235) ; U3.12@4547.7,4760 v1(4640,4760)
  Bottom Layer w6: v2(3775,5235) 4166.49,5235 4170,5231.49 4170,5230 v1(4640,4760)
PA4: P8.17
PA5: P8.18
PA6: P8.19
PA7: P8.20
PA8: P7.26